# Altium PCB Bran_Main_Assay_PCB_v2_20170828.pcbdoc (part 1 of 5) (continued)
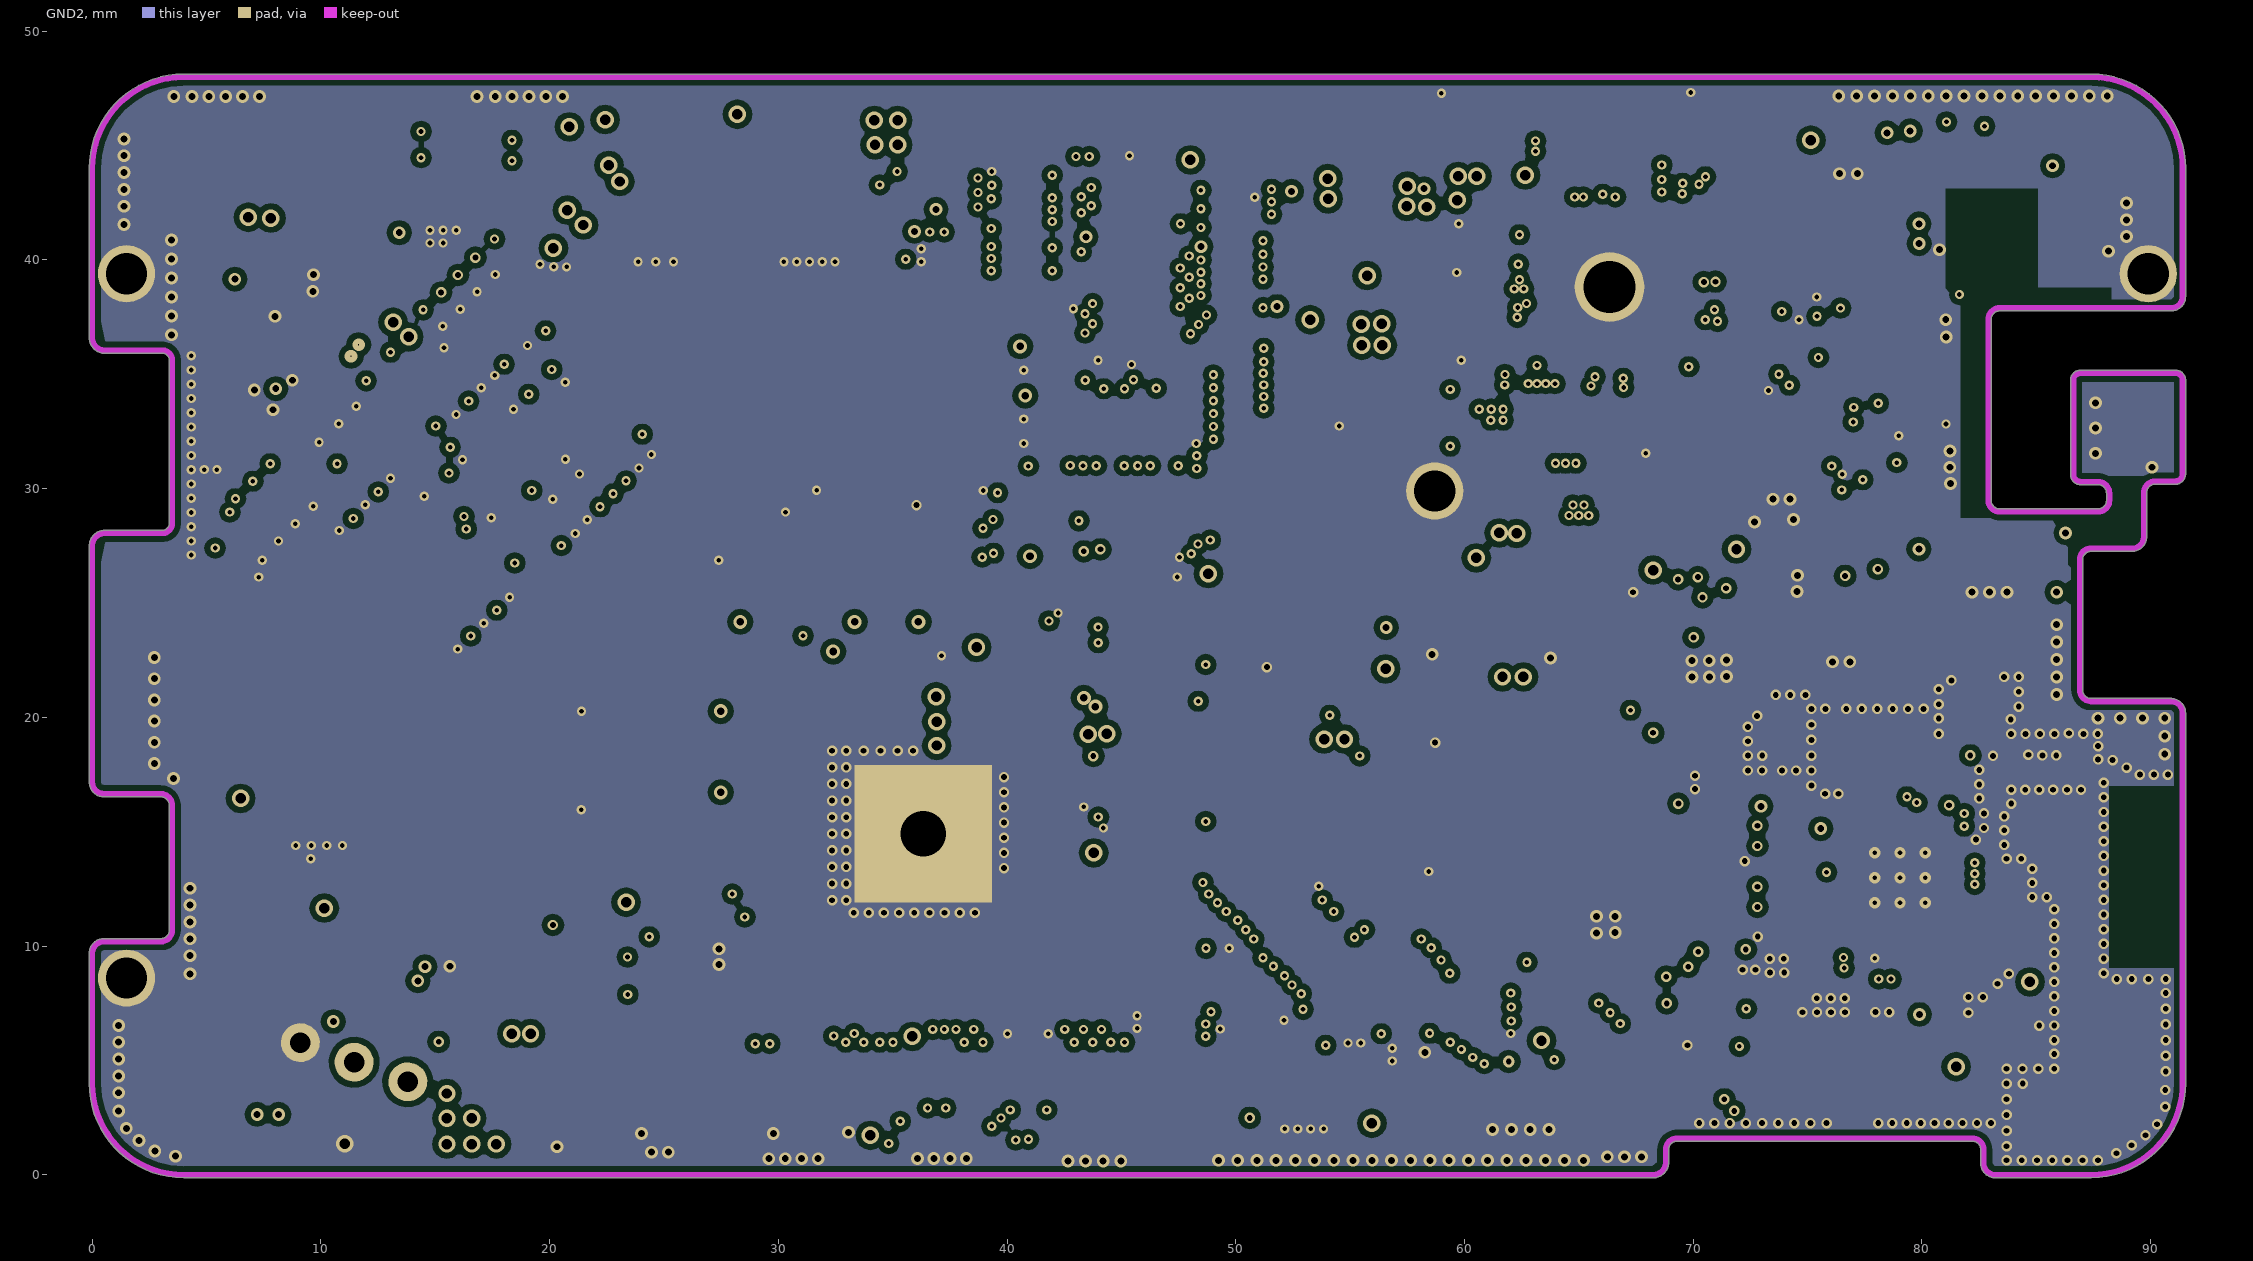
[diagram p5: GND2]
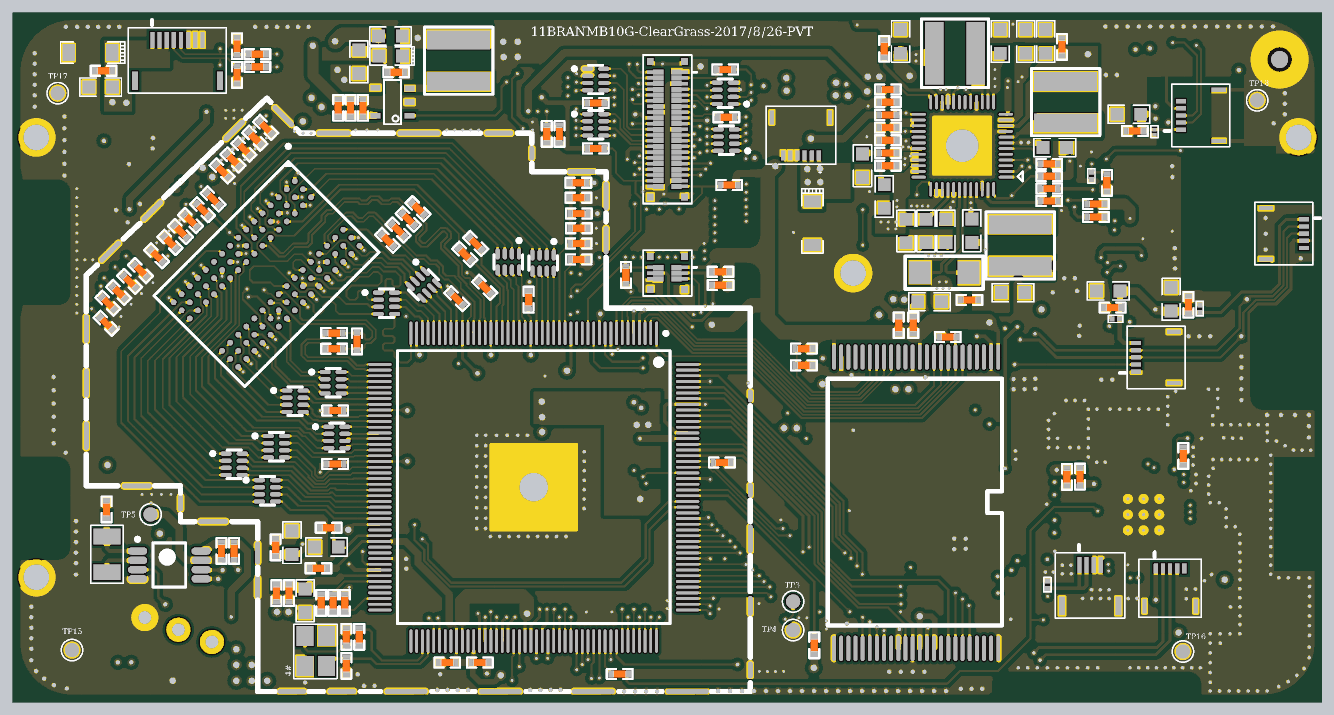
[diagram p10: 3D render of the assembled board from above, using the file's embedded part models]
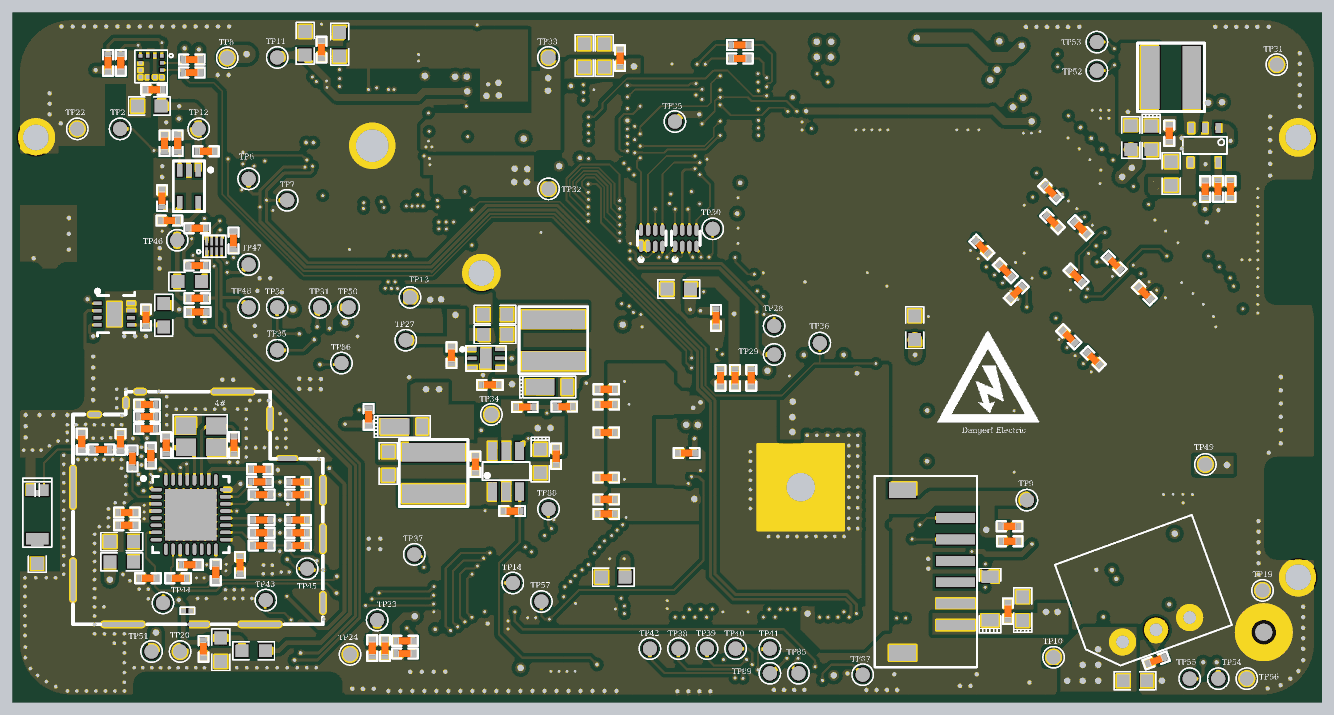
[diagram p11: 3D render of the assembled board from below, using the file's embedded part models]

## Layer stack, top to bottom
Solder Mask Top: solder mask 0.0102, Solder Resist, Dk 3.5
TOP: signal copper 0.0305
Dielectric1: core 0.127, FR-4, Dk 4.2
GND1: signal copper 0.0343
Dielectric4: prepreg 0.127, FR-4, Dk 4.2
Singal: signal copper 0.0343
Dielectric2: core 0.127, FR-4, Dk 4.2
POWER: signal copper 0.0305
Dielectric3: prepreg 0.098, FR-4, Dk 4.2
GND2: signal copper 0.0343
Dielectric5: core 0.127, FR-4, Dk 4.2
BOTTOM: signal copper 0.0305
Solder Mask Bottom: solder mask 0.0102, Solder Resist, Dk 3.5

## Board outline
-0.127,4 -0.127,9.7 cw(c0,9.7) -0.127,9.703 cw(c0.513,9.687) 0.528,10.327 cw(c0.513,9.687) 0.53,10.327 0.527,10.327 3,10.327 ccw(c3,10.7) 3.373,10.699 cw(c3.5,10.7) 3.373,10.7 3.373,16.154 ccw(c2.987,16.142) 2.998,16.528 ccw(c2.987,16.142) 2.997,16.528 2.998,16.528 0.499,16.528 cw(c0.499,16.656) 0.463,16.533 cw(c0.499,17.158) -0.127,17.158 -0.127,27.55 cw(c0,27.55) -0.127,27.562 cw(c0.55,27.5) 0.605,28.177 3.092,28.177 ccw(c3.05,28.5) 3.375,28.5 ccw(c3.05,28.5) 3.373,28.536 cw(c3.5,28.55) 3.373,28.55 3.373,35.55 cw(c3.5,35.55) 3.373,35.564 ccw(c3.05,35.6) 3.375,35.6 ccw(c3.05,35.6) 3.092,35.923 0.605,35.923 cw(c0.55,36.6) -0.127,36.538 cw(c0,36.55) -0.127,36.551 -0.127,44 cw(c4,44) 4,48.127 87.4,48.127 cw(c87.4,44) 91.527,44 91.527,38.4 ccw(c91.4,38.4) 91.527,38.401 91.527,38.4 cw(c90.9,38.4) 90.9,37.773 83.4,37.773 ccw(c83.4,37.4) 83.027,37.4 83.027,29.49 ccw(c83.4,29.49) 83.4,29.117 87.7,29.117 ccw(c87.7,29.49) 88.073,29.49 88.073,29.8 cw(c88.2,29.8) 88.073,29.801 cw(c87.699,29.801) 88.073,29.8 88.073,29.801 ccw(c87.699,29.801) 88.073,29.801 ccw(c87.699,29.801) 87.7,30.175 86.975,30.175 cw(c86.975,30.302) 86.938,30.18 cw(c86.926,30.307) 86.926,30.18 cw(c86.926,30.607) 86.499,30.607 cw(c86.626,30.607) 86.5,30.625 cw(c86.627,30.632) 86.5,30.632 86.5,34.752 cw(c86.927,34.752) 86.927,35.18 91.053,35.18 cw(c91.053,35.052) 91.076,35.178 cw(c91.1,35.052) 91.1,35.18 cw(c91.1,34.752) 91.527,34.752 91.527,30.632 cw(c91.4,30.632) 91.523,30.599 cw(c91.097,30.628) 91.205,30.214 cw(c91.147,30.328) 91.147,30.2 91.11,30.2 cw(c91.097,30.628) 91.097,30.2 cw(c91.097,30.328) 91.089,30.2 90.202,30.2 cw(c90.214,29.814) 90.203,30.2 90.202,30.2 ccw(c90.214,29.814) 89.827,29.803 cw(c89.7,29.8) 89.827,29.8 cw(c89.7,29.8) 89.827,29.799 89.827,27.89 cw(c89.7,27.89) 89.827,27.89 cw(c89.2,27.89) 89.2,27.263 87.4,27.263 cw(c87.4,27.39) 87.399,27.263 ccw(c87.395,26.895) 87.027,26.899 ccw(c87.395,26.895) 87.027,26.899 87.027,26.9 87.027,21.2 ccw(c87.4,21.2) 87.4,20.827 90.9,20.827 cw(c90.9,20.7) 90.923,20.825 cw(c90.9,20.198) 91.527,20.201 cw(c90.9,20.198) 91.527,20.198 91.527,20.2 ccw(c91.4,20.2) 91.527,20.201 91.527,20.2 91.527,4 cw(c87.4,4) 87.4,-0.127 83.2,-0.127 cw(c83.2,0.5) 82.573,0.5 82.573,1.1 ccw(c82.2,1.1) 82.2,1.473 69.3,1.473 ccw(c69.3,1.1) 68.927,1.1 68.927,0.5 cw(c68.8,0.5) 68.927,0.488 cw(c68.25,0.55) 68.195,-0.127 4,-0.127 cw(c4,4)

## Design rules (kind name [scope] priority, off if disabled: settings)
Clearance Clearance_1 [InNet('VSSA')] p1: gap=0.152
Clearance [InPolygon] p2: gap=0.254
Clearance "Clearance - Default - DEFAULT- SMD" [IsVia vs IsSMTPin] p3: gap=0.152
Clearance "Clearance - Default - DEFAULT - Via" [IsVia vs IsVia] p4: gap=0.025
Clearance "Clearance - Default - DEFAULT - Net" [All] p5: gap=0.102
ComponentClearance "ComponentClearance - Default - DEFAULT" [All] p1: gap=0.152 collisioncheckmode=3 verticalgap=0.254 showdistances=FALSE
DiffPairsRouting "DiffPairsRouting - DiffPair - Default" [All] p1: maxlimit=0.203 minlimit=0.203 mostfreqgap=0.203 toplayer_minwidth=0.381 toplayer_maxwidth=0.381 toplayer_prefwidth=0.381 midlayer1_minwidth=0.381 midlayer1_maxwidth=0.381 midlayer1_prefwidth=0.381 midlayer2_minwidth=0.381 midlayer2_maxwidth=0.381 midlayer2_prefwidth=0.381 midlayer3_minwidth=0.381 midlayer3_maxwidth=0.381 midlayer3_prefwidth=0.381 midlayer4_minwidth=0.381 midlayer4_maxwidth=0.381 midlayer4_prefwidth=0.381 bottomlayer_minwidth=0.381 bottomlayer_maxwidth=0.381 bottomlayer_prefwidth=0.381 maxuncoupledlength=12.7
FanoutControl Fanout_Small [(CompPinCount < 5)] p3: bgadir=Out bgaviamode=Centered fanoutstyle=Auto fanoutdirection=OutThenIn viagrid=0.025 // Fanout_Small (Default Rule)
FanoutControl Fanout_SOIC [IsSOIC] p4: bgadir=Out bgaviamode=Centered fanoutstyle=Auto fanoutdirection=Alternating viagrid=0.025 // Fanout_SOIC (Default Rule)
HoleToHoleClearance "HoleToHoleClearance - Default - DEFAULT" [All] p1: gap=0.152 allowstackedmicrovias=TRUE
Length "Default Length" [All] p1: maxlimit=1270 minlimit=0
MaxMinImpedance "Default Impedance" [All] p1: minimum=50.00 maximum=150.0
ParallelSegment "Default Parallel Segment Same Layer" [All] p1: limit=25.4 gap=5.08
ParallelSegment "Default Parallel Segment Adjasent" [All] p2: limit=25.4 gap=5.08
PlaneConnect "Default PlaneConnect" [All] p1: planeconnectstyle=Relief reliefexpansion=0.508 reliefentries=0 reliefconductorwidth=0.254 reliefairgap=0.254
PolygonConnect [All] p1: connectstyle=Direct reliefconductorwidth=0.508 reliefentries=4 polygonreliefangle="90 Angle" airgapwidth=0.254
PolygonConnect "PolygonConnect - Default SMT" [IsSMTPin] p2: connectstyle=Relief reliefconductorwidth=0.254 reliefentries=4 polygonreliefangle="90 Angle" airgapwidth=0.254
PolygonConnect "PolygonConnect - Default Pad" [All] p3: connectstyle=Relief reliefconductorwidth=0.254 reliefentries=4 polygonreliefangle="90 Angle" airgapwidth=0.254
RoutingLayers "RoutingLayers - Default - DEFAULT" [All] p1: top layer_v5=TRUE mid layer 1_v5=TRUE mid layer 2_v5=TRUE mid layer 3_v5=TRUE mid layer 4_v5=TRUE bottom layer_v5=TRUE
RoutingPriority "RoutingPriority - Default - DEFAULT" [All] p1: routingpriority=0
RoutingTopology "Default Routing Topology" [All] p1: topology=Shortest
RoutingVias "RoutingVias - Default - DEFAULT" [All] p1: holewidth=0.711 width=1.27 viastyle="Through Hole" minholewidth=0.203 minwidth=0.254 maxholewidth=0.762 maxwidth=1.524
SMDToCorner "SMDToCorner - Default - DEFAULT" [All] p1: distance=60000
SolderMaskExpansion [All] p1: expansion=0.102
Width "Default Width" [All] p1: maxlimit=2.032 minlimit=0.102 preferedwidth=0.152
21 further rules are at their usual default settings.

## Components (designator, comment, footprint, x,y, rotation, side; value= is the part's Value field where it differs from the comment)
A1 "ASC_RFANT3216120A5T_V07" 3216 89.8,13 r270 bottom
C1 "1uF" C_0402 22.292,6.807 r90 top
C2 "10uF" C_0603 19.406,11.023 r270 top
C3 "104" C0402 18.263,10.693 r270 top
C4 "4.7uF" C_0603 20.324,6.95 r90 top
C5 "104" C_0402 19.193,7.491 r90 top
C7 "104" C_0402 49.517,16.63 r180 top
C8 "10uF" C_0603 21.819,10.719 r0 top
C9 "104" C_0402 21.971,12.065 r0 top
C10 "104" C_0402 21.258,9.228 r0 top
C15 "4.7uF" C_0603 49.461,8.606 r0 bottom
C16 "1uF" C_0402 42.278,26.765 r90 bottom
C17 "104" C_0402 30.275,2.624 r0 top
C18 "1uF" C_0402 44.331,17.293 r180 bottom
C19 "104" C_0402 32.561,2.624 r180 top
C20 "4.7uF" C_0603 44.88,28.786 r180 bottom
C21 "1uF" C_0402 40.943,22.563 r90 bottom
C22 "1uF" C_0402 41.959,22.563 r90 bottom
C23 "1uF" C_0402 39.8,22.563 r90 bottom
C24 "104" C_0402 49.96,15.578 r180 bottom
C25 "104" C_0402 49.96,18.741 r180 bottom
C26 "104" C_0402 49.96,20.697 r180 bottom
C27 "104" C_0402 49.96,21.763 r180 bottom
C28 "1uF" C_0402 49.96,13.038 r180 bottom
C29 "104" C_0402 21.717,12.166 r0 bottom
C30 "104" C_0402 49.96,14.054 r180 bottom
C31 "104" C0402 15.354,10.439 r90 top
C32 "NC" C0402 6.424,13.347 r270 top
C33 "1uF" C_0402 22.423,20.274 r0 top
C34 "1uF" C_0402 32.906,28.903 r315 top
C35 "104" C_0402 35.98,28.04 r270 top
C36 "104" C_0402 22.423,16.535 r0 top
C37 "18pF-1%" C_0402 23.214,2.395 r90 top
C38 "18pF-1%" C_0402 23.214,4.427 r270 top
C39 "4.7uF" C_0603 67.017,32.868 r270 top
C40 "10uF" C_0603 62.406,32.85 r90 top
C41 "4.7uF" C_0603 12.927,1.354 r0 bottom
C42 "1uF" C_0402 66.851,28.024 r180 top
C43 "47pF" C_0402 8.014,35.784 r90 bottom
C44 "10uF" C_0603 69.899,28.532 r0 top
C45 "10uF" C_0603 64.057,27.897 r180 top
C46 "10uF" C_0603 72.185,46.122 r90 top
C47 "10uF" C_0603 72.82,38.692 r0 top
C48 "102" C_0402 73.328,45.741 r90 top
C49 "4.7uF" C_0402 30.951,28.115 r135 top
C50 "4.7uF" C_0603 10.401,36.874 r90 bottom
C51 "0.01uF" C_0402 10.528,39.694 r270 bottom
C52 "10uF" TAN_0603 11.798,39.363 r270 bottom
C53 "10uF" C_0603 60.882,35.263 r270 top
C54 "10uF" C_0603 59.358,37.422 r270 top
C55 "10uF" C_0603 68.629,45.931 r90 bottom
C56 "102" C_0402 69.899,45.55 r90 bottom
C57 "10uF" C_0603 69.01,46.122 r90 top
C58 "47pF" C_0402 23.507,41.478 r270 top
C59 "1uF" C_0402 61.136,39.2 r0 top
C60 "1uF" C_0402 61.136,40.089 r180 top
C61 "4.7uF" C_0603 71.042,45.995 r90 bottom
C62 "1uF" C_0402 61.136,42.756 r0 top
C63 "4.7uF" C_0603 65.2,32.85 r90 top
C64 "4.7uF" C_0603 24.092,44.697 r90 top
C65 "0.01uF" C_0402 26.708,43.961 r180 top
C66 "22uF" TAN_0603 26.327,45.104 r180 top
C67 "4.7uF" C_0603 62.025,46.122 r90 top
C68 "10uF" C_0603 63.803,32.85 r270 top
C69 "4.7uF" C_0603 70.788,46.122 r270 top
C70 "102" C_0402 72.439,34.95 r180 top
C71 "1uF" C_0402 61.136,41.867 r0 top
C81 "104" C_0402 13.145,34.339 r135 top
C82 "104" C_0402 39.494,34.071 r180 top
C83 "104" C_0402 12.307,33.577 r315 top
C84 "104" C_0402 39.471,35.18 r0 top
C85 "104" C_0402 22.01,30.071 r45 bottom
C86 "104" C_0402 23.661,31.722 r225 bottom
C87 "104" C_0402 12.272,28.514 r45 bottom
C88 "104" C_0402 21.248,28.547 r315 bottom
C89 "104" C_0402 14.39,30.579 r225 bottom
C90 "104" C_0402 6.389,26.389 r315 top
C91 "104" C_0402 6.516,27.786 r315 top
C92 "104" C_0402 7.278,28.548 r315 top
C93 "104" C_0402 8.04,29.31 r315 top
C94 "104" C_0402 8.802,30.072 r315 top
C95 "104" C_0402 10.859,32.053 r135 top
C96 "104" C_0402 17.057,29.69 r45 bottom
C97 "104" C_0402 17.568,25.444 r45 bottom
C98 "104" C_0402 15.846,23.907 r225 bottom
C99 "104" C_0402 16.728,33.069 r225 bottom
C100 "104" C_0402 18.835,35.609 r45 bottom
C101 "104" C_0402 18.708,33.5 r225 bottom
C102 "104" C_0402 14.517,37.057 r315 top
C103 "104" C_0402 15.279,37.819 r315 top
C104 "104" C_0402 16.041,38.581 r315 top
C105 "104" C_0402 16.803,39.343 r315 top
C106 "104" C_0402 17.565,40.105 r315 top
C109 "10pF" C_0402 23.955,25.111 r270 top
C111 "104" C_0402 55.253,23.44 r180 top
C116 "104-50V" C_0402 58.102,22.073 r180 bottom
C117 "1uF" C_0402 21.699,11.121 r180 bottom
C120 "104" C_0402 37.249,39.643 r90 top
C121 "10uF" C_0603 51.498,45.136 r270 bottom
C122 "10uF" C_0603 50.101,45.136 r270 bottom
C123 "104" C_0402 48.983,44.958 r270 bottom
C142 "4.7uF" C_0603 28.354,26.081 r270 bottom
C145 "104" C_0402 6.21,44.069 r0 top
C146 "4.7uF" C_0603 6.007,42.926 r0 top
C148 "104" C_0402 39.485,31.977 r180 top
C152 "4.7uF" C_0603 81.953,41.601 r180 bottom
C154 "104" C_0402 82.181,27.686 r270 top
C155 "4.7uF" C_0603 80.974,28.067 r270 top
C156 "104" C_0402 76.873,27.483 r180 top
C157 "4.7uF" C_0603 76.568,28.651 r180 top
C158 "104" C0402 21.831,6.223 r270 bottom
C159 "22uF" TAN_0603 20.789,6.401 r90 bottom
C174 "10uF" C_0603 83.883,11.1 r0 bottom
C175 "1uF" C_0402 81.851,17.12 r90 bottom
C176 "0.1uF" C_0402 83.527,13.132 r0 bottom
C204 "1uF" C0402 62.914,26.246 r270 top
C207 "104" C0402 61.898,26.246 r270 top
C208 "1uF" C0402 65.454,3.64 r90 bottom
C209 "104" C0402 66.343,3.64 r90 bottom
C213 "6.8pF" C0402 85.319,17.551 r0 bottom
C215 "2nH" C_0402 83.972,18.085 r90 bottom
C216 "2.4pF" C_0402 86.69,18.11 r90 bottom
C220 "3.3pF" C_0402 80.772,17.856 r90 bottom
C221 "3.3pF" C_0402 76.022,17.856 r270 bottom
C225 "10uF" C_0603 65.225,16.563 r270 bottom
C226 "22uF" TAN_0603 54.583,16.741 r270 bottom
C227 "0.1uF" C_0402 59.122,16.51 r270 bottom
C228 "0.1uF" C_0402 53.465,17.071 r270 bottom
C235 "1uF" C_0402 77.99,38.43 r180 bottom
C236 "1uF" C_0402 80.556,33.579 r0 bottom
C237 "0.01uF" C_0402 81.064,35.154 r90 bottom
C238 "0.1uF" C_0402 82.193,26.797 r90 bottom
C240 "104" C_0402 81.623,42.744 r180 bottom
C241 "0.1uF" C_0402 78.6,33.045 r0 bottom
C242 "0.1uF" C_0402 78.6,30.429 r0 bottom
C243 "0.1uF" C_0402 73.67,15.63 r90 top
C244 "10nF" C_0402 81.826,17.094 r270 top
C245 "3.3nF" C_0402 82.118,18.999 r180 bottom
C246 "0.1uF" C_0402 79.112,9.474 r180 bottom
C247 "1uF" C_0402 83.527,12.243 r0 bottom
C248 "104" C_0402 78.156,3.581 r90 bottom
C249 "4.7uF" C_0603 76.949,3.529 r90 bottom
C250 "1uF" C_0402 75.603,9.474 r270 bottom
C251 "10uF" C_0603 57.746,25.603 r180 bottom
C252 "4.7uF" C_0603 78.015,41.021 r0 top
C253 "104" C_0402 78.434,39.853 r0 top
D2 "VS5V0BC1EST15R" 0201#1 72.312,8.077 r90 top
D4 "VS5V0BC1EST15R" 0201#1 75.386,36.703 r90 top
D5 "RSA5M" SOD-123 55.846,33.401 r90 top
D6 "RSA5M" SOD-123 5.295,45.339 r0 top
D7 "VMNZC68CST2RA" ESD_0402 15.557,45.79 r90 top
D8 "VMNZC68CST2RA" ESD_0402 15.557,43.783 r270 top
D12 "SS14/IN5819" PROGRAM_1/2 53.632,21.92 r90 bottom
D13 "VS5V0BC1EST15R" 0201#1 82.982,27.418 r90 top
D14 "RSA5M" SOD-123 23.075,7.112 r270 bottom
D15 "VS5V0BC1EST15R" 0201#1 77.088,26.695 r180 top
D18 "1N5819" PROGRAM_1/2 63.803,19.154 r90 bottom
D19 "VS5V0BC1EST15R" 0201#1 79.297,6.248 r180 bottom
D20 "VS5V0BC1EST15R" 0201#2 79.805,39.765 r270 top
J1 "046298704220883+" FPC_CON4-KYOCERA 75.3,8.025 r90 top locked
J2 "BATTARY" BL-5C 11.45,4.923 r160 bottom locked
J3 "50340-08-0600" 503480-0600 55.05,39.475 r270 top
J4 "046298708220883+" FPC_CON8-KYOCERA 11.382,44.795 r90 top locked
J5 "50340-08-0500" 503480-0500 88.938,32.664 r0 top locked
J6 "CI1506M1HR0-NH" WTB_SIDE_6PIN 29.2,3.3 r90 bottom locked
J7 "50340-08-0500" 503480-0500 79.845,24 r180 top locked
J15 "CON" 503480-0620 45.7,29.9 r270 top locked
J16 "AT070TN93" 503304-4240 45.7,39.97 r270 top locked
J17 "50340-08-0500" 503480-0500 80.9,7.9 r90 top locked
J18 "50340-08-0500" 503480-0500 82.973,40.942 r180 top locked
L1 "2.2uH-DCR<0.1R-1.5A/ELL4LG2R2NA" CD32 70.407,31.834 r90 top
L2 "4.7uH-DCR<0.1R-1.5A/ELL4LG2R2NA" CD32 73.582,41.867 r90 top
L3 "2.2uH-DCR<0.1R-1.5A/ELL4LG2R2NA" CD32 10.401,43.605 r180 bottom
L4 "4.7uH-DCR<0.1R-1.5A/ELL4LG2R2NA" CD32 65.835,45.296 r180 top
L5 "2.2uH-DCR<0.1R-1.5A/ELL4LG2R2NA" CD32 31.077,44.774 r270 top
L7 "10uH-DCR<0.1R-1.5A/ELL4LG100MA" CD32 53.657,25.197 r270 bottom
L12 "600R-1.5A" L_0603 26.302,46.501 r0 top
L13 "600R-1.5A" L_0603 13.221,39.389 r90 bottom
L18 "2.2uH-DCR<0.1R-1.5A/ELL4LG2R2NA" CD32 62.05,15.903 r270 bottom
L19 "600R-1.5A" L_0603 57.746,27 r0 bottom
M1 "Bad Mark" MARK_POINT#1 88.57,44.856 r0 top
M2 "Bad Mark" MARK_POINT#2 3.912,4.75 r180 bottom
R1 "200K-1%" R_0402 18.314,7.486 r90 top
R2 "0R" R_0402 21.454,6.807 r270 top
R3 "1K" R_0402 83.96,44.623 r90 bottom
R4 "1K" R_0402 84.849,44.623 r90 bottom
R5 "2.2K" R_0402 49.419,29.057 r180 top
R6 "2.2K" R_0402 49.416,29.991 r180 top
R7 "4.7K" R_0402 75.704,33.833 r180 top
R8 "4.7K" R_0402 75.704,34.747 r180 top
R9 "0R" R_0402 24.117,4.427 r270 top
R11 "0R03" R_1206 65.073,29.929 r180 top
R12 "100K-1%" R_0402 6.236,35.79 r90 bottom
R13 "150K-1%" R_0402 7.125,35.79 r270 bottom
R14 "1R" R_0402 61.136,37.422 r0 top
R15 "1R" R_0402 61.136,38.311 r180 top
R17 "100K-1%" R_0402 24.371,41.478 r270 top
R18 "442K-1%" R_0402 22.644,41.478 r90 top
R19 "200K-1%" R_0402 60.882,45.614 r270 top
R21 "47K" R_0402 72.439,36.683 r0 top
R22 "1K" R_0402 72.439,35.817 r0 top
R23 "47K" R_0402 61.136,40.978 r180 top
R28 "510R" R_0402 76.47,36.22 r270 top
R32 "NC/0R-1%" R_0402 64.057,4.148 r180 bottom
R34 "10K" R_0402 65.327,25.421 r0 top
R35 "NC/0R-1%" R_0402 64.057,3.259 r0 bottom
R39 "10K" R_0402 55.253,24.608 r180 top
R44 "33R" R_0402 40.601,45.872 r180 bottom
R45 "33R" R_0402 49.746,44.164 r0 top
R46 "33R" R_0402 40.601,44.933 r180 bottom
R50 "5R-1%" R_0402 60.794,24.155 r90 bottom
R54 "33R" R0402 49.822,40.811 r0 top
R55 "10K" R_0402 38.138,39.643 r270 top
R65 "24R-1%" R_0402 22.355,24.604 r180 top
R68 "24R-1%" R_0402 22.355,25.696 r180 top
R71 "240R-1%" R_0402 9.919,31.113 r315 top
R72 "24R-1%" R_0402 28.233,34.415 r135 top
R73 "24R-1%" R_0402 27.547,33.678 r135 top
R74 "24R-1%" R_0402 26.836,32.916 r135 top
R75 "24R-1%" R_0402 26.099,32.205 r135 top
R76 "24R-1%" R_0402 31.509,31.215 r135 top
R77 "24R-1%" R_0402 32.271,31.977 r135 top
R79 "10K" R_0402 40.678,38.633 r0 top
R80 "10K" R_0402 50.025,36.061 r180 top
R81 "10K" R_0402 40.678,41.808 r0 top
R86 "2K-1%" R_0402 13.882,35.101 r135 top
R89 "2K-1%" R_0402 39.458,36.227 r0 top
R90 "2K-1%" R_0402 11.596,32.815 r315 top
R91 "2K-1%" R_0402 39.494,33.042 r180 top
R94 "240R-1%" R_0402 39.485,30.859 r180 top
R99 "10K" R_0402 55.98,3.831 r270 top
R129 "10K" R_0402 78.981,43.942 r0 bottom
R130 "10K" R_0402 78.981,44.852 r0 bottom
R131 "10K" R_0402 66.597,19.833 r90 bottom
R151 "0R" R_0402 72.439,37.549 r180 top
R155 "12K-1%" R_0402 82.118,20.701 r180 bottom
R156 "0R-1%" R_0402 83.134,16.916 r90 bottom
R157 "0R" R_0402 16.98,44.342 r0 top
R158 "0R" R_0402 16.98,45.231 r0 top
R160 "0R-1%" R_0603' 89.8,10.4 r270 bottom
R168 "200R-1%" R_0402 74.09,10.828 r0 bottom
R169 "200R-1%" R_0402 74.09,11.717 r0 bottom
R170 "200R-1%" R_0402 74.09,12.606 r0 bottom
R171 "200R-1%" R_0402 42.354,1.829 r0 top
R172 "200R-1%" R_0402 74.09,14.384 r0 bottom
R173 "200R-1%" R_0402 74.215,15.279 r0 bottom
R176 "0R-1%" R_0603 83.883,9.677 r180 bottom
R177 "1K-1%" R_0402 42.786,29.769 r270 top
R178 "NC/100R-1%" R_0402 11.454,2.771 r160 bottom
R179 "10K-1%" R_0402 71.539,12.606 r0 bottom
R180 "100K-1%" R_0402 82.054,8.534 r0 bottom
R181 "100K" R_0402 23.105,6.807 r90 top
R188 "200K-1%" R_0402 52.895,20.549 r0 bottom
R189 "1.8M-1%" R_0402 55.664,20.523 r0 bottom
R190 "100K-1%" R_0402 56.553,13.229 r0 bottom
R194 "10K" R_0402 14.465,10.439 r90 top
R195 "0R-1%" R_0603 79.133,29.312 r0 bottom
R196 "10K-1%" R_0402 78.6,28.143 r180 bottom
R197 "10K-1%" R_0402 78.574,27.178 r180 bottom
R198 "0R-1%" R_0603 74.651,3.454 r180 bottom
R199 "10K-1%" R_0402 79.971,38.989 r270 bottom
R200 "0R-1%" R_0402 79.946,8.534 r0 bottom
R201 "0R-1%" R_0402 74.587,15.646 r270 top
R202 "20K-1%" R_0402 82.118,19.863 r180 bottom
R203 "0R-1%" R_0402 77.304,8.941 r90 bottom
R204 "0R-1%" R_0402 74.22,16.159 r180 bottom
R205 "10K-1%" R_0402 71.538,15.273 r180 bottom
R206 "10K-1%" R_0402 71.538,14.384 r180 bottom
R207 "10K-1%" R_0402 71.538,11.717 r180 bottom
R208 "10K-1%" R_0402 71.538,10.828 r180 bottom
R209 "10K-1%" R_0402 76.06,32.182 r270 bottom
R210 "100K-1%" R_0402 80.886,38.989 r90 bottom
R213 "0R-1%" R_0603 80.948,26.949 r270 bottom
RN1 "24R*4" RCA50-8/3 26.023,27.786 r0 top
RN2 "100R*4" RCA50-8/3 49.822,39.211 r180 top
RN3 "24R*4" RCA50-8/3 36.996,30.605 r270 top
RN4 "33R*4" RCA50-8/3 22.289,22.223 r0 top
RN5 "24R*4" RCA50-8/3 28.614,29.081 r315 top
RN6 "24R*4" RCA50-8/3 34.557,30.681 r270 top
RN7 "100R*4" RCA50-8/3 49.746,42.488 r180 top
RN8 "100R*4" RCA50-8/3 40.678,43.459 r0 top
RN9 "100R*4" RCA50-8/3 40.678,40.284 r0 top
RN10 "100R*4" RCA50-8/3 46.774,32.339 r90 bottom
RN11 "100R*4" RCA50-8/3 44.386,32.339 r90 bottom
RN15 "33R*4" RCA50-8/3 19.622,20.928 r0 top